# Altium PCB slave-14-mc33775.PcbDoc (part 5 of 5)
Units mil, origin at the board's own origin, x right, y up, seen from the top; angles counter-clockwise.
Board outline 6512.5 x 4562.01 mil, 6 copper layers (Top Copper, Supply, Signal Layer 1, Signal Layer 2, GND, Bot Copper), stack 69.773 mil thick; 427 components, 213 nets, 1131 pads, 1672 vias.
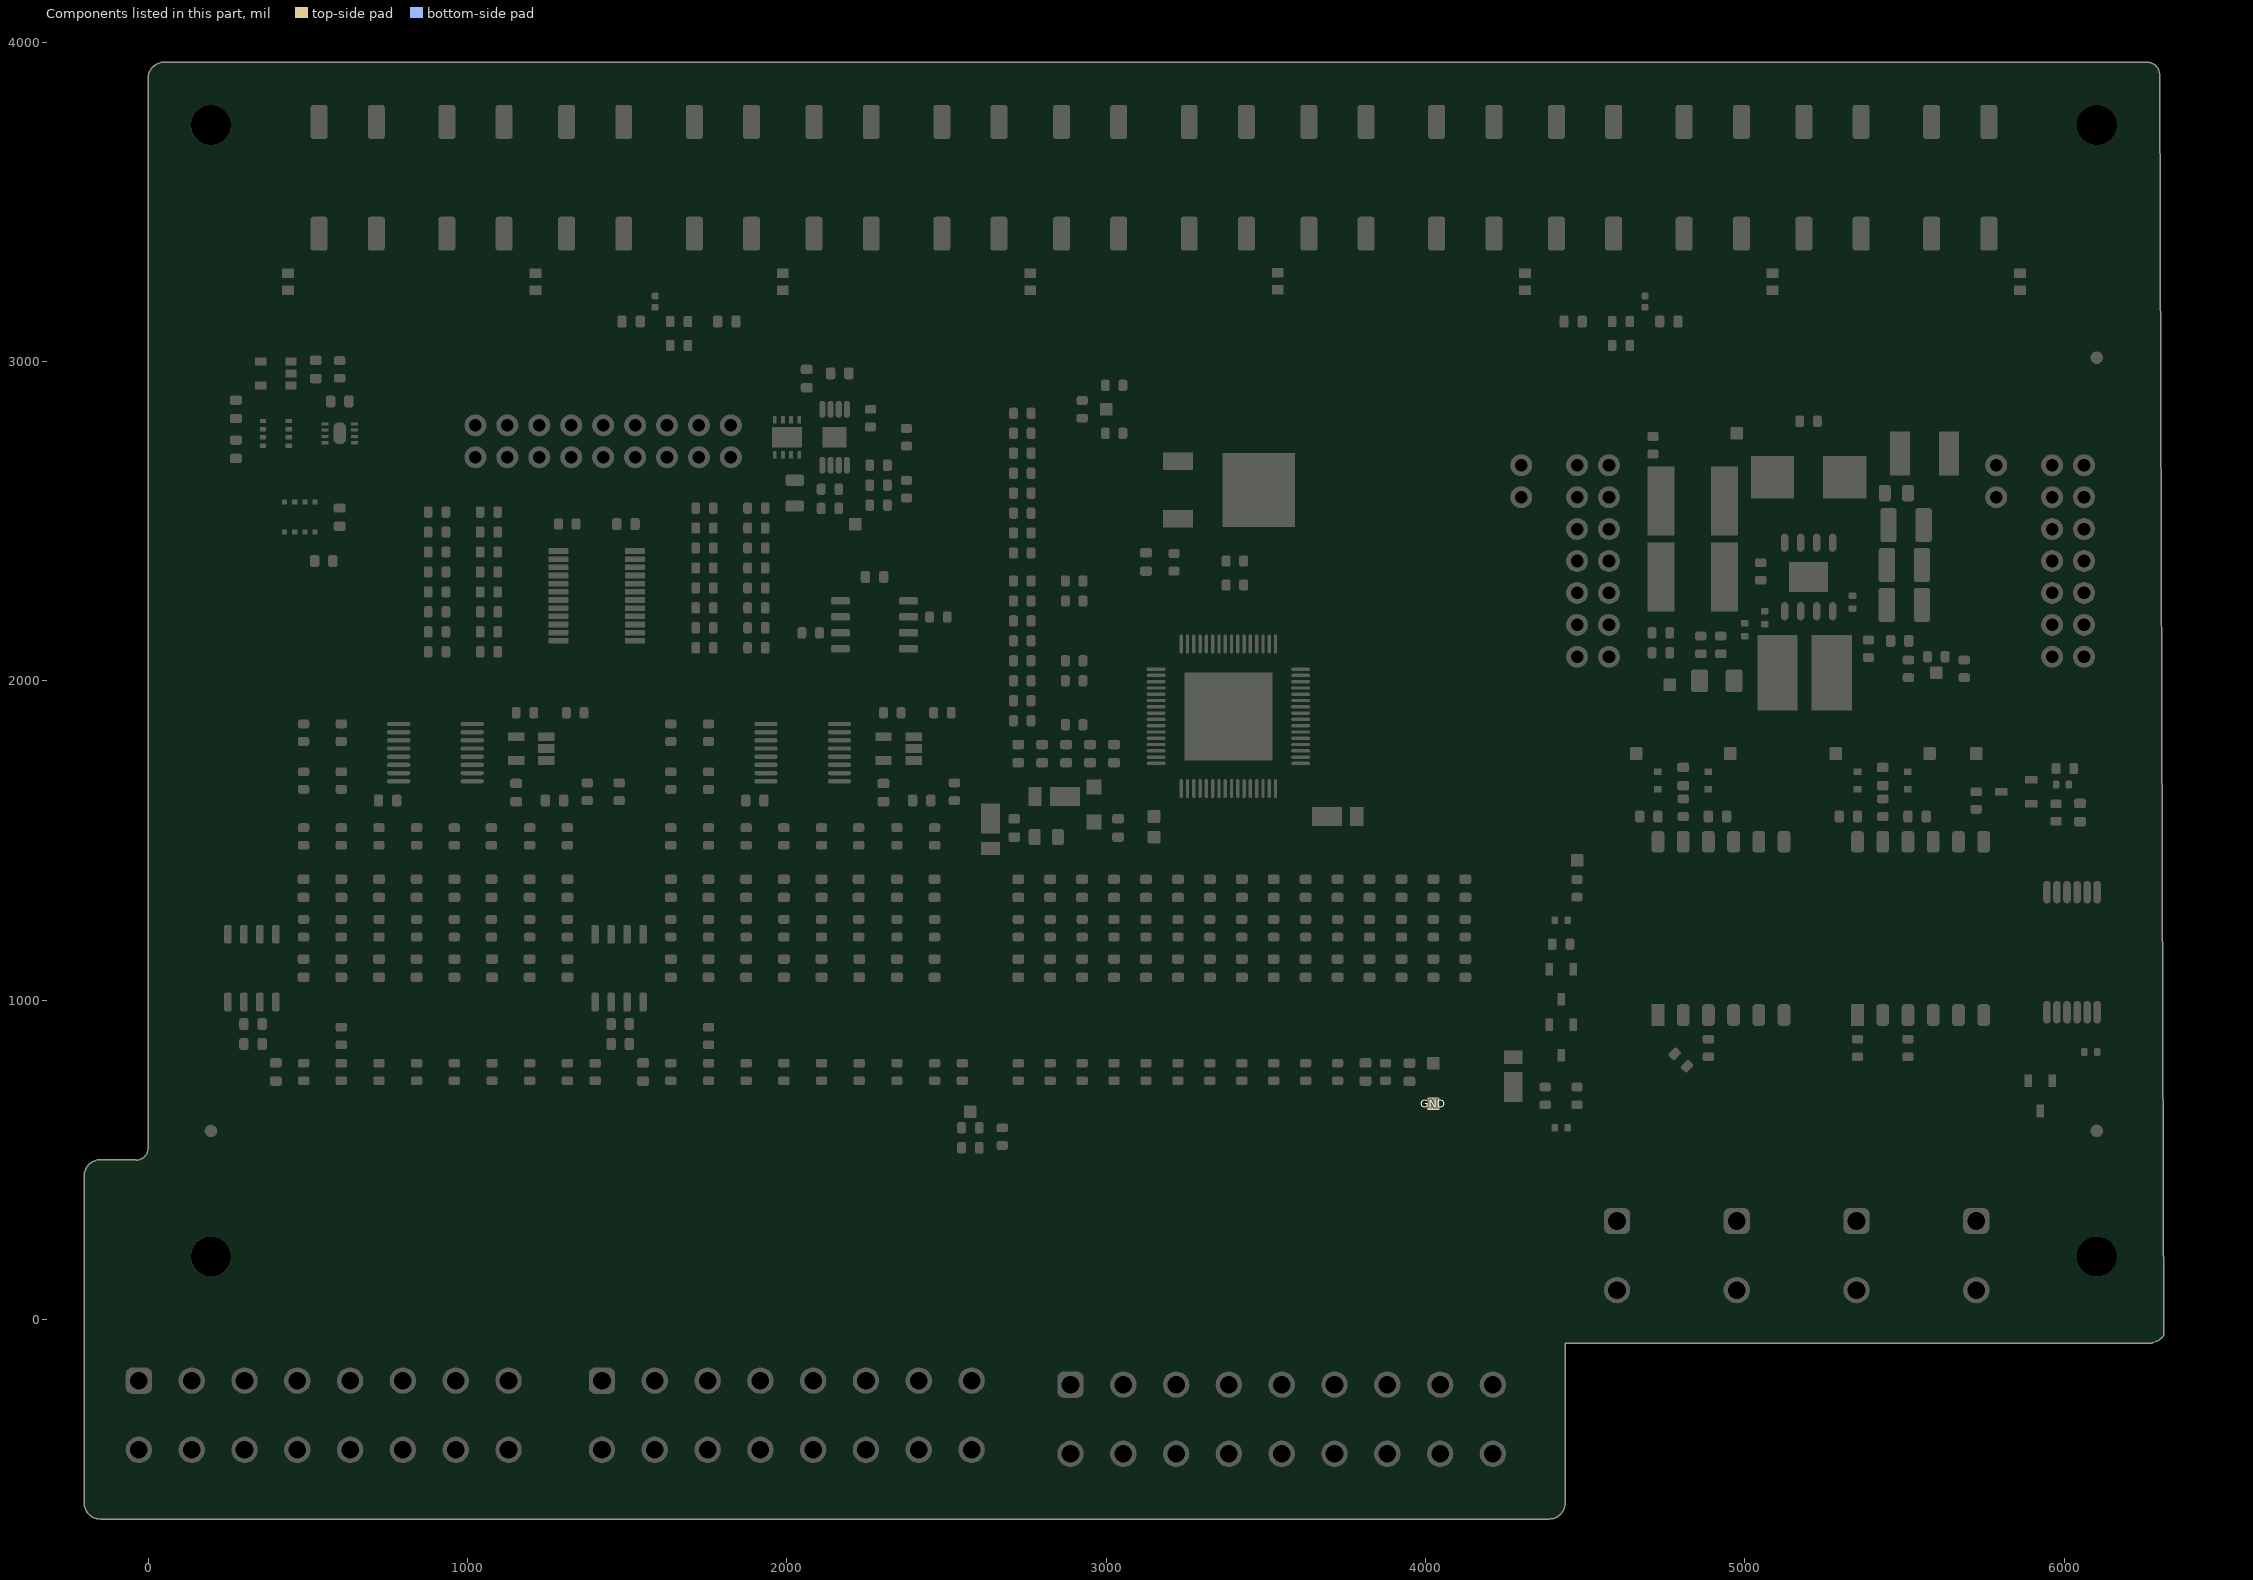
[diagram p9: the components of this part, seen from the top]

## Polygon pours and split planes (outlines as drawn) (continued)
no net on Top Overlay "Polygon_22_NoNet" (solid): 5660.93,3062.77 5664.56,3062.13 5667.31,3060.36 5669.08,3057.62 5669.71,3054.03 5669.71,2991.35 5669.08,2987.72 5667.31,2984.98 5664.56,2983.21 5660.93,2982.57 5653.92,2981.15 5648.14,2977.25 5644.24,2971.48 5642.81,2964.45 5642.81,2951.01 5642.05,2947.42 5640.08,2944.66 5637.28,2942.89 5634.07,2942.26 5388.97,2942.26 5388.16,2932.83 5634.09,2932.83 5637.72,2933.2 5641.12,2934.27 5644.21,2935.95 5646.9,2938.17 5649.13,2940.86 5650.8,2943.94 5651.86,2947.34 5652.24,2950.98 5652.23,2964.39 5652.87,2968.02 5654.64,2970.76 5657.38,2972.53 5661,2973.16 5664.63,2973.53 5668.02,2974.6 5671.11,2976.27 5673.8,2978.49 5676.02,2981.18 5677.69,2984.26 5678.76,2987.66 5679.13,2991.3 5679.13,3054.05 5678.77,3057.73 5677.73,3061.17 5676.08,3064.26 5673.88,3066.92 5671.2,3069.13 5668.11,3070.78 5664.68,3071.81 5661.02,3072.17 5657.39,3072.85 5654.64,3074.7 5652.87,3077.48 5652.24,3080.91 5652.24,3094.36 5651.87,3097.99 5650.8,3101.4 5649.13,3104.49 5646.9,3107.18 5644.21,3109.39 5641.12,3111.07 5637.72,3112.13 5634.09,3112.5 5140.91,3112.5 5136.76,3112.17 5133.11,3111.2 5129.99,3109.63 5127.41,3107.5 5125.39,3104.86 5123.93,3101.76 5123.05,3098.24 5122.75,3094.36 5122.75,2950.98 5123.12,2947.34 5124.18,2943.94 5125.87,2940.86 5128.09,2938.17 5130.78,2935.95 5133.86,2934.27 5137.27,2933.2 5140.91,2932.83 5388.16,2932.83 5388.97,2942.26 5140.95,2942.25 5137.33,2942.89 5134.58,2944.66 5132.81,2947.4 5132.17,2950.99 5132.17,3094.31 5132.81,3097.93 5134.58,3100.68 5137.33,3102.45 5140.91,3103.08 5634.03,3103.09 5637.66,3102.45 5640.41,3100.68 5642.18,3097.93 5642.81,3094.35 5642.81,3080.88 5644.24,3073.86 5648.14,3068.09 5653.92,3064.19
no net on Top Overlay "Polygon_28_NoNet" (solid): 5174.17,2956.09 5164.45,2957.53 5163.81,2958.58 5165.43,2968.86 5165.87,2969.53 5166.43,2969.69 5166.75,2969.64 5172.29,2968.71 5176.38,2969.28 5179.35,2971.06 5181.39,2974.23 5182.67,2978.99 5192.65,3038.95 5192.43,3039.75 5191.67,3040.1 5182.61,3040.1 5181.86,3040.44 5181.64,3041.24 5183.42,3051.53 5184.32,3052.3 5193.91,3052.3 5194.94,3053.17 5195.82,3058.27 5197.01,3063.38 5198.82,3067.8 5201.25,3071.54 5204.31,3074.6 5207.99,3076.96 5212.32,3078.65 5222.83,3079.98 5229.9,3079.3 5235.54,3077.8 5236.13,3076.77 5234.36,3066.62 5233.87,3065.95 5233.37,3065.82 5232.98,3065.89 5229.08,3066.96 5224.3,3067.49 5219.19,3066.91 5215.6,3065.08 5213.23,3061.79 5211.87,3056.81 5211.27,3053.46 5211.48,3052.65 5212.24,3052.3 5226.68,3052.3 5227.42,3051.95 5227.65,3051.15 5225.87,3040.86 5224.96,3040.1 5209.98,3040.1 5208.95,3039.22 5198.72,2977.53 5195.91,2968.21 5193.66,2964.52 5190.85,2961.49 5187.5,2959.13 5183.58,2957.44 5174.38,2956.09
no net on Top Overlay "Polygon_26_NoNet" (solid): 5351.1,2981.27 5345.55,2981.89 5341.12,2983.94 5337.48,2987.7 5334.25,2993.39 5328.67,3005.36 5327.82,3005.96 5327.83,3005.96 5326.99,3005.53 5310.11,2982.63 5309.37,2982.25 5294.05,2982.25 5293.16,2982.8 5293.27,2983.86 5320.73,3018.66 5320.87,3019.74 5313.81,3035.52 5310.87,3039.73 5307.54,3040.65 5304.01,3040.38 5303.94,3040.38 5303.14,3040.68 5302.9,3041.51 5304.52,3051.36 5305.08,3052.08 5312.67,3053.41 5317.93,3052.88 5321.97,3051.05 5325.17,3047.63 5327.94,3042.37 5332.64,3031.38 5333.5,3030.75 5333.49,3030.75 5334.35,3031.21 5348.55,3051.9 5349.3,3052.3 5364.63,3052.3 5365.52,3051.74 5365.42,3050.69 5340.15,3017.88 5340.05,3016.77 5348.94,2998.91 5352.04,2994.66 5355.37,2993.74 5359.99,2994.28 5360.11,2994.29 5360.91,2994.03 5361.2,2993.16 5359.56,2983.45 5359.02,2982.75 5355.33,2981.63 5351.29,2981.29
no net on Top Overlay "Polygon_27_NoNet" (solid): 5264.04,3041.33 5259.29,3040.62 5255.34,3038.57 5252.02,3035.39 5249.34,3031.3 5247.26,3026.46 5245.79,3021.13 5244.63,3009.69 5245.5,3002.72 5248.02,2997.54 5252,2994.31 5258.32,2993.26 5257.21,2981.13 5249.28,2981.84 5243.15,2983.83 5238.16,2986.89 5234.24,2990.8 5231.32,2995.34 5229.32,3000.31 5228.18,3005.49 5227.82,3010.66 5228.41,3018.59 5230.18,3026.29 5233.1,3033.51 5237.19,3039.99 5242.41,3045.47 5248.77,3049.71 5256.23,3052.45 5264.78,3053.41 5272.07,3052.7 5278.17,3050.72 5283.13,3047.68 5287.04,3043.79 5289.94,3039.26 5291.93,3034.32 5293.06,3029.16 5293.43,3024.01 5292.83,3016.06 5291.07,3008.34 5288.16,3001.1 5284.09,2994.6 5278.88,2989.09 5272.56,2984.84 5265.13,2982.1 5260.95,2981.4 5259.06,2981.14 5257.22,2981.14 5258.32,2993.26 5259.65,2993.36 5261.94,2993.91 5265.91,2995.97 5269.23,2999.15 5271.91,3003.23 5274,3008.07 5275.46,3013.41 5276.63,3024.85 5275.75,3031.82 5273.24,3037 5269.25,3040.22
GND on Top Copper "GND_L01_P001" (solid, pour order 1): 250,3250 250,3150 2950,3150 2950,3250
GND on Top Copper "GND_L01_P002" (solid, pour order 2): 3350,3250 3350,3150 6050,3150 6050,3250
GND on Top Copper "GND_L01_P138" (solid, pour order 138): -37.5,3112.5 812.5,3112.5 812.5,2187.5 -50,2187.5
GND on Top Copper "GND_L01_P139" (solid, remove dead copper, pour order 139): 1950,2950 2325,2950 2325,2412.5 2000,2412.5 2000,2612.5 1950,2662.5
VBAT_con_ext_lim on Top Copper "VBAT_CON_EXT_LIM_L01_P140" (solid, pour order 140): 4675,2725 4775,2725 4800,2700 4800,2200 4675,2200
SW on Top Copper "SW_L01_P145" (solid, pour order 145): 5212.5,2287.5 5212.5,1887.5 5387.5,1887.5 5412.5,1912.5 5412.5,2237.5 5362.5,2287.5
+3.3V on Top Copper "+3.3V_L01_P146" (solid, pour order 146): 4962.5,2162.5 5175,2162.5 5175,1875 4925,1875 4925,2075 4950,2100 4950,2112.5 4937.5,2125 4900,2125 4900,2187.5 4937.5,2187.5
GND on Top Copper "GND_L01_P147" (solid, remove dead copper, pour order 147): 4675,2825 5687.5,2825 5687.5,2075 5762.5,2000 5762.5,1950 4687.5,1950 4675,1937.5
VBAT_con_ext on Top Copper "VBAT_CON_EXT_L01_P148" (solid, remove dead copper, pour order 148): 2875,3112.5 2875,1925 4425,1925 4425,3112.5
CIN0 on Top Copper "CIN0_L01_P019" (solid, pour order 19): 5687.5,3975 5687.5,3250 6299.21,3250 6299.21,3975
CIN14 on Top Copper "CIN14_L01_P018" (solid, pour order 18): 612.5,3975 612.5,3250 0,3250 0,3975
VBAT_con_ext_emi on Top Copper "VBAT_CON_EXT_EMI_L01_P141" (solid, pour order 141): 5225,2737.5 5412.5,2737.5 5425,2725 5425,2650 5462.5,2612.5 5462.5,2562.5 5487.5,2537.5 5487.5,2087.5 5412.5,2087.5 5412.5,2387.5 5312.5,2487.5 5225,2575
VBAT_con_ext_emi on Top Copper "VBAT_CON_EXT_EMI_L01_P142" (solid, pour order 142): 5225,2737.5 5212.5,2750 5212.5,2837.5 5312.5,2837.5 5412.5,2737.5
VBAT_con_ext_lim on Top Copper "VBAT_CON_EXT_LIM_L01_P144" (solid, pour order 144): 4800,2637.5 4837.5,2675 4975,2675 4975,2562.5 5162.5,2562.5 5175,2575 5175,2737.5 5187.5,2750 5187.5,2837.5 5100,2837.5 5012.5,2750 4800,2750 4775,2725
CIN8 on Top Copper "CIN8_L01_P110" (solid, pour order 110): 2587.5,3975 2937.5,3975 2937.5,3250 2587.5,3250
CIN10 on Top Copper "CIN10_L01_P043" (solid, pour order 43): 1812.5,3975 2162.5,3975 2162.5,3250 1812.5,3250
CIN2 on Top Copper "CIN2_L01_P025" (solid, pour order 25): 4912.5,3975 5262.5,3975 5262.5,3250 4912.5,3250
CIN4 on Top Copper "CIN4_L01_P024" (solid, pour order 24): 4137.5,3975 4487.5,3975 4487.5,3250 4137.5,3250
CIN6 on Top Copper "CIN6_L02_P023" (solid, pour order 23): 3362.5,3975 3712.5,3975 3712.5,3250 3362.5,3250
CIN12 on Top Copper "CIN12_L01_P020" (solid, pour order 20): 1037.5,3975 1387.5,3975 1387.5,3250 1037.5,3250
BAL.CB_LO0 on Top Copper "BAL.CB_LO0_L01_P017" (solid, pour order 17): 5662.5,3975 5487.5,3975 5487.5,3250 5662.5,3250
BAL.CB_LO2 on Top Copper "BAL.CB_LO2_L01_P016" (solid, pour order 16): 4887.5,3975 4712.5,3975 4712.5,3250 4887.5,3250
BAL.CB_LO4 on Top Copper "BAL.CB_LO4_L01_P015" (solid, pour order 15): 4112.5,3975 3937.5,3975 3937.5,3250 4112.5,3250
BAL.CB_LO6 on Top Copper "BAL.CB_LO6_L01_P014" (solid, pour order 14): 3337.5,3975 3162.5,3975 3162.5,3250 3337.5,3250
BAL.CB_LO8 on Top Copper "BAL.CB_LO8_L01_P013" (solid, pour order 13): 2562.5,3975 2387.5,3975 2387.5,3250 2562.5,3250
BAL.CB_LO10 on Top Copper "BAL.CB_LO10_L01_P012" (solid, pour order 12): 1787.5,3975 1612.5,3975 1612.5,3250 1787.5,3250
BAL.CB_LO12 on Top Copper "BAL.CB_LO12_L01_P011" (solid, pour order 11): 1012.5,3975 837.5,3975 837.5,3250 1012.5,3250
BAL.CB_HI2 on Top Copper "BAL.CB_HI2_L01_P010" (solid, pour order 10): 5287.5,3975 5462.5,3975 5462.5,3250 5287.5,3250
BAL.CB_HI4 on Top Copper "BAL.CB_HI4_L01_P009" (solid, pour order 9): 4512.5,3975 4687.5,3975 4687.5,3250 4512.5,3250
BAL.CB_HI6 on Top Copper "BAL.CB_HI6_L01_P008" (solid, pour order 8): 3737.5,3975 3912.5,3975 3912.5,3250 3737.5,3250
BAL.CB_HI8 on Top Copper "BAL.CB_HI8_L01_P007" (solid, pour order 7): 2962.5,3975 3137.5,3975 3137.5,3250 2962.5,3250
BAL.CB_HI10 on Top Copper "BAL.CB_HI10_L01_P006" (solid, pour order 6): 2187.5,3975 2362.5,3975 2362.5,3250 2187.5,3250
BAL.CB_HI12 on Top Copper "BAL.CB_HI12_L01_P005" (solid, pour order 5): 1412.5,3975 1587.5,3975 1587.5,3250 1412.5,3250
BAL.CB_HI14 on Top Copper "BAL.CB_HI14_L01_P004" (solid, pour order 4): 637.5,3975 812.5,3975 812.5,3250 637.5,3250
GND on GND "GND_L05_P000" (solid, remove dead copper, pour order 0): -199.38,3250 6587.5,3250 6587.5,-125 6500,-212.5 -250,-212.5
CIN0 on GND "CIN0_L05_P107" (solid, pour order 107): 5687.5,3975 5687.5,3250 6299.21,3250 6299.21,3975
CIN14 on GND "CIN14_L05_P106" (solid, pour order 106): 612.5,3975 612.5,3250 0,3250 0,3975
CIN10 on GND "CIN10_L05_P131" (solid, pour order 131): 1812.5,3975 2162.5,3975 2162.5,3250 1812.5,3250
BAL.CB_HI2 on GND "BAL.CB_HI2_L05_P120" (solid, pour order 120): 5287.5,3975 5462.5,3975 5462.5,3250 5287.5,3250
BAL.CB_HI4 on GND "BAL.CB_HI4_L05_P119" (solid, pour order 119): 4512.5,3975 4687.5,3975 4687.5,3250 4512.5,3250
BAL.CB_HI10 on GND "BAL.CB_HI10_L05_P116" (solid, pour order 116): 2187.5,3975 2362.5,3975 2362.5,3250 2187.5,3250
BAL.CB_HI12 on GND "BAL.CB_HI12_L05_P115" (solid, pour order 115): 1412.5,3975 1587.5,3975 1587.5,3250 1412.5,3250
BAL.CB_HI14 on GND "BAL.CB_HI14_L05_P114" (solid, pour order 114): 637.5,3975 812.5,3975 812.5,3250 637.5,3250
CIN2 on GND "CIN2_L05_P113" (solid, pour order 113): 4912.5,3975 5262.5,3975 5262.5,3250 4912.5,3250
CIN4 on GND "CIN4_L05_P112" (solid, pour order 112): 4137.5,3975 4487.5,3975 4487.5,3250 4137.5,3250
CIN12 on GND "CIN12_L05_P108" (solid, pour order 108): 1037.5,3975 1387.5,3975 1387.5,3250 1037.5,3250
BAL.CB_LO2 on GND "BAL.CB_LO2_L05_P104" (solid, pour order 104): 4887.5,3975 4712.5,3975 4712.5,3250 4887.5,3250
BAL.CB_LO4 on GND "BAL.CB_LO4_L05_P103" (solid, pour order 103): 4112.5,3975 3937.5,3975 3937.5,3250 4112.5,3250
BAL.CB_LO6 on GND "BAL.CB_LO6_L05_P102" (solid, pour order 102): 3337.5,3975 3162.5,3975 3162.5,3250 3337.5,3250
BAL.CB_LO8 on GND "BAL.CB_LO8_L05_P101" (solid, pour order 101): 2562.5,3975 2387.5,3975 2387.5,3250 2562.5,3250
BAL.CB_LO12 on GND "BAL.CB_LO12_L05_P099" (solid, pour order 99): 1012.5,3975 837.5,3975 837.5,3250 1012.5,3250
BAL.CB_HI6 on GND "BAL.CB_HI6_L05_P096" (solid, pour order 96): 3737.5,3975 3912.5,3975 3912.5,3250 3737.5,3250
BAL.CB_HI8 on GND "BAL.CB_HI8_L05_P095" (solid, pour order 95): 2962.5,3975 3137.5,3975 3137.5,3250 2962.5,3250
CIN6 on GND "CIN6_L05_P089" (solid, pour order 89): 3362.5,3975 3712.5,3975 3712.5,3250 3362.5,3250
CIN8 on GND "CIN8_L05_P088" (solid, pour order 88): 2587.5,3975 2937.5,3975 2937.5,3250 2587.5,3250
BAL.CB_LO0 on GND "BAL.CB_LO0_L05_P061" (solid, pour order 61): 5662.5,3975 5487.5,3975 5487.5,3250 5662.5,3250
BAL.CB_LO10 on GND "BAL.CB_LO10_L05_P056" (solid, pour order 56): 1787.5,3975 1612.5,3975 1612.5,3250 1787.5,3250
VDDIO on Supply "VDDIO_L02_P137" (solid, remove dead copper, pour order 137): -25,3250 6325,3250 6325,-50 -25,-50
VDDC on Supply "VDDC_L02_P136" (solid, pour order 136): 4250,-50 4250,3250 6400,3250 6400,-50
CIN0 on Supply "CIN0_L02_P041" (solid, pour order 41): 5687.5,3975 5687.5,3250 6299.21,3250 6299.21,3975
CIN14 on Supply "CIN14_L02_P040" (solid, pour order 40): 612.5,3975 612.5,3250 0,3250 0,3975
CIN6 on Supply "CIN6_L02_P023" (solid, pour order 111): 3362.5,3975 3712.5,3975 3712.5,3250 3362.5,3250
BAL.CB_HI8 on Supply "BAL.CB_HI8_L02_P073" (solid, pour order 73): 2962.5,3975 3137.5,3975 3137.5,3250 2962.5,3250
CIN8 on Supply "CIN8_L02_P044" (solid, pour order 44): 2587.5,3975 2937.5,3975 2937.5,3250 2587.5,3250
CIN2 on Supply "CIN2_L02_P047" (solid, pour order 47): 4912.5,3975 5262.5,3975 5262.5,3250 4912.5,3250
CIN4 on Supply "CIN4_L02_P046" (solid, pour order 46): 4137.5,3975 4487.5,3975 4487.5,3250 4137.5,3250
CIN10 on Supply "CIN10_L02_P021" (solid, pour order 21): 1812.5,3975 2162.5,3975 2162.5,3250 1812.5,3250
CIN12 on Supply "CIN12_L02_P042" (solid, pour order 42): 1037.5,3975 1387.5,3975 1387.5,3250 1037.5,3250
BAL.CB_LO0 on Supply "BAL.CB_LO0_L02_P039" (solid, pour order 39): 5662.5,3975 5487.5,3975 5487.5,3250 5662.5,3250
BAL.CB_LO2 on Supply "BAL.CB_LO2_L02_P038" (solid, pour order 38): 4887.5,3975 4712.5,3975 4712.5,3250 4887.5,3250
BAL.CB_LO4 on Supply "BAL.CB_LO4_L02_P037" (solid, pour order 37): 4112.5,3975 3937.5,3975 3937.5,3250 4112.5,3250
BAL.CB_LO6 on Supply "BAL.CB_LO6_L02_P036" (solid, pour order 36): 3337.5,3975 3162.5,3975 3162.5,3250 3337.5,3250
BAL.CB_LO8 on Supply "BAL.CB_LO8_L02_P035" (solid, pour order 35): 2562.5,3975 2387.5,3975 2387.5,3250 2562.5,3250
BAL.CB_LO10 on Supply "BAL.CB_LO10_L02_P034" (solid, pour order 34): 1787.5,3975 1612.5,3975 1612.5,3250 1787.5,3250
BAL.CB_LO12 on Supply "BAL.CB_LO12_L02_P033" (solid, pour order 33): 1012.5,3975 837.5,3975 837.5,3250 1012.5,3250
BAL.CB_HI2 on Supply "BAL.CB_HI2_L02_P032" (solid, pour order 32): 5287.5,3975 5462.5,3975 5462.5,3250 5287.5,3250
BAL.CB_HI4 on Supply "BAL.CB_HI4_L02_P030" (solid, pour order 30): 4512.5,3975 4687.5,3975 4687.5,3250 4512.5,3250
BAL.CB_HI6 on Supply "BAL.CB_HI6_L02_P031" (solid, pour order 31): 3737.5,3975 3912.5,3975 3912.5,3250 3737.5,3250
BAL.CB_HI10 on Supply "BAL.CB_HI10_L02_P028" (solid, pour order 28): 2187.5,3975 2362.5,3975 2362.5,3250 2187.5,3250
BAL.CB_HI12 on Supply "BAL.CB_HI12_L02_P027" (solid, pour order 27): 1412.5,3975 1587.5,3975 1587.5,3250 1412.5,3250
BAL.CB_HI14 on Supply "BAL.CB_HI14_L02_P026" (solid, pour order 26): 637.5,3975 812.5,3975 812.5,3250 637.5,3250
CIN0 on Bot Copper "CIN0_L06_P129" (solid, pour order 129): 5687.5,3975 5687.5,3250 6299.21,3250 6299.21,3975
CIN14 on Bot Copper "CIN14_L06_P128" (solid, pour order 128): 612.5,3975 612.5,3250 0,3250 0,3975
BAL.CB_HI6 on Bot Copper "BAL.CB_HI6_L06_P118" (solid, pour order 118): 3737.5,3975 3912.5,3975 3912.5,3250 3737.5,3250
BAL.CB_HI2 on Bot Copper "BAL.CB_HI2_L06_P098" (solid, pour order 98): 5287.5,3975 5462.5,3975 5462.5,3250 5287.5,3250
BAL.CB_HI10 on Bot Copper "BAL.CB_HI10_L06_P094" (solid, pour order 94): 2187.5,3975 2362.5,3975 2362.5,3250 2187.5,3250
BAL.CB_HI12 on Bot Copper "BAL.CB_HI12_L06_P093" (solid, pour order 93): 1412.5,3975 1587.5,3975 1587.5,3250 1412.5,3250
CIN10 on Bot Copper "CIN10_L06_P087" (solid, pour order 87): 1812.5,3975 2162.5,3975 2162.5,3250 1812.5,3250
BAL.CB_HI4 on Bot Copper "BAL.CB_HI4_L06_P053" (solid, pour order 53): 4512.5,3975 4687.5,3975 4687.5,3250 4512.5,3250
BAL.CB_HI8 on Bot Copper "BAL.CB_HI8_L06_P051" (solid, pour order 51): 2962.5,3975 3137.5,3975 3137.5,3250 2962.5,3250
BAL.CB_HI14 on Bot Copper "BAL.CB_HI14_L06_P048" (solid, pour order 48): 637.5,3975 812.5,3975 812.5,3250 637.5,3250
CIN8 on Bot Copper "CIN8_L06_P066" (solid, pour order 66): 2587.5,3975 2937.5,3975 2937.5,3250 2587.5,3250
CIN2 on Bot Copper "CIN2_L06_P135" (solid, pour order 135): 4912.5,3975 5262.5,3975 5262.5,3250 4912.5,3250
CIN4 on Bot Copper "CIN4_L06_P134" (solid, pour order 134): 4137.5,3975 4487.5,3975 4487.5,3250 4137.5,3250
CIN6 on Bot Copper "CIN6_L06_P133" (solid, pour order 133): 3362.5,3975 3712.5,3975 3712.5,3250 3362.5,3250
CIN12 on Bot Copper "CIN12_L06_P130" (solid, pour order 130): 1037.5,3975 1387.5,3975 1387.5,3250 1037.5,3250
BAL.CB_LO0 on Bot Copper "BAL.CB_LO0_L06_P127" (solid, pour order 127): 5662.5,3975 5487.5,3975 5487.5,3250 5662.5,3250
BAL.CB_LO2 on Bot Copper "BAL.CB_LO2_L06_P126" (solid, pour order 126): 4887.5,3975 4712.5,3975 4712.5,3250 4887.5,3250
BAL.CB_LO4 on Bot Copper "BAL.CB_LO4_L06_P125" (solid, pour order 125): 4112.5,3975 3937.5,3975 3937.5,3250 4112.5,3250
BAL.CB_LO6 on Bot Copper "BAL.CB_LO6_L06_P124" (solid, pour order 124): 3337.5,3975 3162.5,3975 3162.5,3250 3337.5,3250
BAL.CB_LO8 on Bot Copper "BAL.CB_LO8_L06_P123" (solid, pour order 123): 2562.5,3975 2387.5,3975 2387.5,3250 2562.5,3250
BAL.CB_LO10 on Bot Copper "BAL.CB_LO10_L06_P122" (solid, pour order 122): 1787.5,3975 1612.5,3975 1612.5,3250 1787.5,3250
BAL.CB_LO12 on Bot Copper "BAL.CB_LO12_L06_P121" (solid, pour order 121): 1012.5,3975 837.5,3975 837.5,3250 1012.5,3250
CIN0 on Signal Layer 1 "CIN0_L03_P063" (solid, pour order 63): 5687.5,3975 5687.5,3250 6299.21,3250 6299.21,3975
CIN14 on Signal Layer 1 "CIN14_L03_P062" (solid, pour order 62): 612.5,3975 612.5,3250 0,3250 0,3975
CIN8 on Signal Layer 1 "CIN8_L03_P022" (solid, pour order 22): 2587.5,3975 2937.5,3975 2937.5,3250 2587.5,3250
BAL.CB_HI8 on Signal Layer 1 "BAL.CB_HI8_L03_P117" (solid, pour order 117): 2962.5,3975 3137.5,3975 3137.5,3250 2962.5,3250
CIN4 on Signal Layer 1 "CIN4_L03_P090" (solid, pour order 90): 4137.5,3975 4487.5,3975 4487.5,3250 4137.5,3250
BAL.CB_LO0 on Signal Layer 1 "BAL.CB_LO0_L03_P083" (solid, pour order 83): 5662.5,3975 5487.5,3975 5487.5,3250 5662.5,3250
BAL.CB_LO4 on Signal Layer 1 "BAL.CB_LO4_L03_P081" (solid, pour order 81): 4112.5,3975 3937.5,3975 3937.5,3250 4112.5,3250
BAL.CB_LO10 on Signal Layer 1 "BAL.CB_LO10_L03_P078" (solid, pour order 78): 1787.5,3975 1612.5,3975 1612.5,3250 1787.5,3250
BAL.CB_HI4 on Signal Layer 1 "BAL.CB_HI4_L03_P075" (solid, pour order 75): 4512.5,3975 4687.5,3975 4687.5,3250 4512.5,3250
BAL.CB_HI6 on Signal Layer 1 "BAL.CB_HI6_L03_P074" (solid, pour order 74): 3737.5,3975 3912.5,3975 3912.5,3250 3737.5,3250
BAL.CB_HI14 on Signal Layer 1 "BAL.CB_HI14_L03_P070" (solid, pour order 70): 637.5,3975 812.5,3975 812.5,3250 637.5,3250
CIN10 on Signal Layer 1 "CIN10_L03_P065" (solid, pour order 65): 1812.5,3975 2162.5,3975 2162.5,3250 1812.5,3250
CIN6 on Signal Layer 1 "CIN6_L02_P023" (solid, pour order 67): 3362.5,3975 3712.5,3975 3712.5,3250 3362.5,3250
CIN12 on Signal Layer 1 "CIN12_L03_P064" (solid, pour order 64): 1037.5,3975 1387.5,3975 1387.5,3250 1037.5,3250
CIN2 on Signal Layer 1 "CIN2_L03_P069" (solid, pour order 69): 4912.5,3975 5262.5,3975 5262.5,3250 4912.5,3250
BAL.CB_LO2 on Signal Layer 1 "BAL.CB_LO2_L03_P060" (solid, pour order 60): 4887.5,3975 4712.5,3975 4712.5,3250 4887.5,3250
BAL.CB_LO6 on Signal Layer 1 "BAL.CB_LO6_L03_P058" (solid, pour order 58): 3337.5,3975 3162.5,3975 3162.5,3250 3337.5,3250
BAL.CB_LO8 on Signal Layer 1 "BAL.CB_LO8_L03_P057" (solid, pour order 57): 2562.5,3975 2387.5,3975 2387.5,3250 2562.5,3250
BAL.CB_LO12 on Signal Layer 1 "BAL.CB_LO12_L03_P055" (solid, pour order 55): 1012.5,3975 837.5,3975 837.5,3250 1012.5,3250
BAL.CB_HI2 on Signal Layer 1 "BAL.CB_HI2_L03_P054" (solid, pour order 54): 5287.5,3975 5462.5,3975 5462.5,3250 5287.5,3250
BAL.CB_HI10 on Signal Layer 1 "BAL.CB_HI10_L03_P050" (solid, pour order 50): 2187.5,3975 2362.5,3975 2362.5,3250 2187.5,3250
BAL.CB_HI12 on Signal Layer 1 "BAL.CB_HI12_L03_P049" (solid, pour order 49): 1412.5,3975 1587.5,3975 1587.5,3250 1412.5,3250
CIN0 on Signal Layer 2 "CIN0_L04_P085" (solid, pour order 85): 5687.5,3975 5687.5,3250 6299.21,3250 6299.21,3975
CIN14 on Signal Layer 2 "CIN14_L04_P084" (solid, pour order 84): 612.5,3975 612.5,3250 0,3250 0,3975
CIN6 on Signal Layer 2 "CIN6_L04_P045" (solid, pour order 45): 3362.5,3975 3712.5,3975 3712.5,3250 3362.5,3250
CIN8 on Signal Layer 2 "CIN8_L04_P132" (solid, pour order 132): 2587.5,3975 2937.5,3975 2937.5,3250 2587.5,3250
CIN10 on Signal Layer 2 "CIN10_L04_P109" (solid, pour order 109): 1812.5,3975 2162.5,3975 2162.5,3250 1812.5,3250
BAL.CB_LO0 on Signal Layer 2 "BAL.CB_LO0_L04_P105" (solid, pour order 105): 5662.5,3975 5487.5,3975 5487.5,3250 5662.5,3250
BAL.CB_LO10 on Signal Layer 2 "BAL.CB_LO10_L04_P100" (solid, pour order 100): 1787.5,3975 1612.5,3975 1612.5,3250 1787.5,3250
BAL.CB_HI14 on Signal Layer 2 "BAL.CB_HI14_L04_P092" (solid, pour order 92): 637.5,3975 812.5,3975 812.5,3250 637.5,3250
CIN2 on Signal Layer 2 "CIN2_L04_P091" (solid, pour order 91): 4912.5,3975 5262.5,3975 5262.5,3250 4912.5,3250
CIN12 on Signal Layer 2 "CIN12_L04_P086" (solid, pour order 86): 1037.5,3975 1387.5,3975 1387.5,3250 1037.5,3250
BAL.CB_LO2 on Signal Layer 2 "BAL.CB_LO2_L04_P082" (solid, pour order 82): 4887.5,3975 4712.5,3975 4712.5,3250 4887.5,3250
BAL.CB_LO6 on Signal Layer 2 "BAL.CB_LO6_L04_P080" (solid, pour order 80): 3337.5,3975 3162.5,3975 3162.5,3250 3337.5,3250
BAL.CB_LO8 on Signal Layer 2 "BAL.CB_LO8_L04_P079" (solid, pour order 79): 2562.5,3975 2387.5,3975 2387.5,3250 2562.5,3250
BAL.CB_LO12 on Signal Layer 2 "BAL.CB_LO12_L04_P077" (solid, pour order 77): 1012.5,3975 837.5,3975 837.5,3250 1012.5,3250
BAL.CB_HI10 on Signal Layer 2 "BAL.CB_HI10_L04_P072" (solid, pour order 72): 2187.5,3975 2362.5,3975 2362.5,3250 2187.5,3250
BAL.CB_HI12 on Signal Layer 2 "BAL.CB_HI12_L04_P071" (solid, pour order 71): 1412.5,3975 1587.5,3975 1587.5,3250 1412.5,3250
BAL.CB_HI4 on Signal Layer 2 "BAL.CB_HI4_L04_P097" (solid, pour order 97): 4512.5,3975 4687.5,3975 4687.5,3250 4512.5,3250
BAL.CB_HI2 on Signal Layer 2 "BAL.CB_HI2_L04_P076" (solid, pour order 76): 5287.5,3975 5462.5,3975 5462.5,3250 5287.5,3250
BAL.CB_HI8 on Signal Layer 2 "BAL.CB_HI8_L04_P029" (solid, pour order 29): 2962.5,3975 3137.5,3975 3137.5,3250 2962.5,3250
CIN4 on Signal Layer 2 "CIN4_L04_P068" (solid, pour order 68): 4137.5,3975 4487.5,3975 4487.5,3250 4137.5,3250
BAL.CB_LO4 on Signal Layer 2 "BAL.CB_LO4_L04_P059" (solid, pour order 59): 4112.5,3975 3937.5,3975 3937.5,3250 4112.5,3250
BAL.CB_HI6 on Signal Layer 2 "BAL.CB_HI6_L04_P052" (solid, pour order 52): 3737.5,3975 3912.5,3975 3912.5,3250 3737.5,3250

## Keep-outs
Keep-Out Layer:
  circle w228.35: c196.85,196.85 r185.04
  circle w228.35: c6102.36,196.85 r185.04
  circle w228.35: c196.85,3740.16 r185.04
  circle w228.35: c6102.36,3740.16 r185.04

## Other copper
Top Copper:
  pour cut-out: 3987.5,1737.5 4112.5,1737.5 4112.5,1512.5 3987.5,1512.5
  pour cut-out: 5725,2737.5 5850,2737.5 5850,2512.5 5725,2512.5
  pour cut-out: 4237.5,2737.5 4362.5,2737.5 4362.5,2512.5 4237.5,2512.5
  pour cut-out: 362.5,2625 700,2625 700,2300 687.5,2287.5 362.5,2287.5
  text "TOP (1)" at 6244.68,3056.1 h40 r90
Signal Layer 1:
  pour cut-out: 3987.5,1737.5 4112.5,1737.5 4112.5,1512.5 3987.5,1512.5
  pour cut-out: 5725,2737.5 5850,2737.5 5850,2512.5 5725,2512.5
  pour cut-out: 4237.5,2737.5 4362.5,2737.5 4362.5,2512.5 4237.5,2512.5
  text "3" at 6244.68,3056.1 h40 r90
Signal Layer 2:
  pour cut-out: 3987.5,1737.5 4112.5,1737.5 4112.5,1512.5 3987.5,1512.5
  pour cut-out: 5725,2737.5 5850,2737.5 5850,2512.5 5725,2512.5
  pour cut-out: 4237.5,2737.5 4362.5,2737.5 4362.5,2512.5 4237.5,2512.5
  text "4" at 6244.69,3193.9 h40 r90
Supply:
  pour cut-out: 3987.5,1737.5 4112.5,1737.5 4112.5,1512.5 3987.5,1512.5
  pour cut-out: 5725,2737.5 5850,2737.5 5850,2512.5 5725,2512.5
  pour cut-out: 4237.5,2737.5 4362.5,2737.5 4362.5,2512.5 4237.5,2512.5
  pour cut-out: 4603.33,1516.81 4607.64,1516.81 4628.33,1537.5 6337.5,1537.5 6450,1425 6450,-50 4787.5,-50 4790.83,-46.67 4787.5,662.5 4607.64,825
  pour cut-out: 362.5,2625 700,2625 700,2300 687.5,2287.5 362.5,2287.5
  pour cut-out: 6350,1300 5900,1300 5900,1500 6050,1500 6350,1800 6450,1800 6450,1675 6350,1575
  pour cut-out: 4825,150 4800,500 4475,175 4350,50 4350,-50 4800,-50 4825,-25
  text "2" at 6244.68,3056.1 h40 r90
GND:
  pour cut-out: 3987.5,1737.5 4112.5,1737.5 4112.5,1512.5 3987.5,1512.5
  pour cut-out: 5725,2737.5 5850,2737.5 5850,2512.5 5725,2512.5
  pour cut-out: 4237.5,2737.5 4362.5,2737.5 4362.5,2512.5 4237.5,2512.5
  pour cut-out: 4603.33,1516.81 4607.64,1516.81 4628.33,1537.5 6337.5,1537.5 6450,1425 6450,-50 4787.5,-50 4790.83,-46.67 4787.5,662.5 4607.64,825
  pour cut-out: 4825,150 4800,500 4475,175 4350,50 4350,-50 4800,-50 4825,-25
  pour cut-out: 6350,1300 5900,1300 5900,1500 6050,1500 6350,1800 6450,1800 6450,1675 6350,1575
  pour cut-out: 362.5,2625 700,2625 700,2300 687.5,2287.5 362.5,2287.5
  text "5" at 6244.69,3193.9 h40 r90
Bot Copper:
  pour cut-out: 3987.5,1737.5 4112.5,1737.5 4112.5,1512.5 3987.5,1512.5
  pour cut-out: 5725,2737.5 5850,2737.5 5850,2512.5 5725,2512.5
  pour cut-out: 4237.5,2737.5 4362.5,2737.5 4362.5,2512.5 4237.5,2512.5
  text "BOT (6)" at 6244.69,3193.9 h40 r90

## Silkscreen, mask and mechanical layers (free items; w line width, h text height)
Top Overlay:
  drawing of 11 lines, arcs and shapes, not listed
  text "Passive Balancing" at 2693.42,3548.33 h118.11
  text "MCP9800" at 212.8,2885.14 h40 r90
  text "SHT35" at 775.3,2708.04 h40 r90
  text "BME280" at 212.64,2707.63 h40 r90
  text "↯" at 3787.5,2700 h1200
  text "HIGH" at 1700.4,2587.2 h40
  text "LOW" at 1864.61,2587.2 h40
  text "LOW" at 864.61,2574.7 h40
  text "HIGH" at 1025.4,2574.7 h40
  text "DANGER / high voltage / may be present" at 3637.36,2529.74 h60
  text "15" at 1805.76,2528.11 h40
  text "0" at 977.86,2515.61 h40
  text "14" at 1805.62,2465.38 h40
  text "1" at 980.56,2452.88 h40
  text "BME680" at 557.63,2412.36 h40
  text "13" at 1805.97,2403.11 h40
  text "2" at 977.58,2390.38 h40
  text "12" at 1806.11,2340.38 h40
  text "3" at 977.66,2328.11 h40
  text "11" at 1808.12,2277.88 h40
  text "4" at 976.98,2265.39 h40
  text "10" at 1806.09,2215.61 h40
  text "5" at 977.58,2203.34 h40
  text "9" at 1815.13,2153.11 h40
  text "6" at 977.63,2140.61 h40
  text "8" at 1815.25,2090.61 h40
  text "7" at 977.8,2078.11 h40
  text "foxBMS" at 3775,1950 h150
  text "Fraunhofer IISB / '.GlobalProject' v'.GlobalVersion'" at 177,1361.5 h60 r90
  text "CT1" at 3987.82,1291.44 h40 r90
  text "CT9" at 3187.8,1289.36 h40 r90
  text "CT8" at 3287.8,1289.32 h40 r90
  text "CT7" at 3387.82,1289.32 h40 r90
  text "CT6" at 3487.8,1289.16 h40 r90
  text "CT5" at 3587.8,1289.07 h40 r90
  text "CT4" at 3687.82,1288.94 h40 r90
  text "CT3" at 3787.8,1289.29 h40 r90
  text "CT2" at 3887.82,1289.42 h40 r90
  text "CT0" at 4087.8,1289.41 h40 r90
  text "CT11" at 2987.82,1281.5 h40 r90
  text "CT14" at 2687.82,1279 h40 r90
  text "CT13" at 2787.8,1279.35 h40 r90
  text "CT12" at 2887.82,1279.48 h40 r90
  text "CT10" at 3087.8,1279.47 h40 r90
  text "Input Filter" at 3125,920.96 h118.11
  text "Select Vmodule with 0R" at 2923.32,668.27 h60
  text "Temperature Measurement" at 801.55,622.64 h118.11
  text "Alarm / out" at 4525.66,594.9 h60
  text "Alarm / in" at 5675.66,594.88 h60
  text "TPL / low" at 4865.03,587.26 h60
  text "TPL / high" at 5240.03,587.26 h60
Bottom Overlay:
  text "DIO3" at 1234.97,2874.76 h40
  text "DIO7" at 1434.97,2874.76 h40
  text "DIO11" at 1634.97,2874.76 h40
  text "DIO15" at 1834.97,2874.76 h40
  text "DIO1" at 1134.98,2836.77 h40
  text "DIO5" at 1334.97,2836.77 h40
  text "DIO9" at 1534.97,2836.77 h40
  text "DIO13" at 1734.97,2836.77 h40
  text "GND" at 1934.97,2836.77 h40
  text "GND" at 4438.23,2784.97 h40 r90
  text "GND" at 4695.24,2784.97 h40 r90
  text "GND" at 5925.73,2784.97 h40 r90
  text "GND" at 6182.74,2784.97 h40 r90
  text "GND" at 4409.97,2711.77 h40
  text "GND" at 5897.47,2711.77 h40
  text "VAUX" at 4438.23,2684.97 h40 r90
  text "VDDC" at 4737.74,2684.97 h40 r90
  text "VAUX" at 5925.73,2684.97 h40 r90
  text "VDDC" at 6225.24,2684.97 h40 r90
  text "3.3V" at 4438.23,2584.97 h40 r90
  text "VDDIO" at 4695.24,2584.97 h40 r90
  text "3.3V" at 5925.73,2584.97 h40 r90
  text "VDDIO" at 6182.74,2584.97 h40 r90
  text "DIO0" at 1134.98,2579.76 h40
  text "DIO4" at 1334.97,2579.76 h40
  text "DIO8" at 1534.97,2579.76 h40
  text "DIO12" at 1734.97,2579.76 h40
  text "GND" at 1934.97,2579.76 h40
  text "DIO2" at 1234.97,2537.26 h40
  text "DIO6" at 1434.97,2537.26 h40
  text "DIO10" at 1634.97,2537.26 h40
  text "DIO14" at 1834.97,2537.26 h40
  text "ALRM_OUT" at 4400.24,2484.97 h40 r90
  text "ALRM_IN" at 4737.74,2484.97 h40 r90
  text "ALRM_OUT" at 5887.74,2484.97 h40 r90
  text "ALRM_IN" at 6225.24,2484.97 h40 r90
  text "VBAT" at 4409.97,2454.76 h40
  text "VBAT" at 5897.47,2454.76 h40
  text "SDA" at 4438.23,2384.97 h40 r90
  text "SCL" at 4695.24,2384.97 h40 r90
  text "SDA" at 5925.73,2384.97 h40 r90
  text "SCL" at 6182.74,2384.97 h40 r90
  text "GPIO7" at 4400.24,2284.97 h40 r90
  text "GPIO6" at 4737.74,2284.97 h40 r90
  text "GPIO7" at 5887.74,2284.97 h40 r90
  text "GPIO6" at 6225.24,2284.97 h40 r90
  text "GPIO3" at 4438.23,2184.97 h40 r90
  text "GPIO2" at 4695.24,2184.97 h40 r90
  text "GPIO3" at 5925.73,2184.97 h40 r90
  text "GPIO2" at 6182.74,2184.97 h40 r90
  text "GND" at 4159.97,1711.77 h40
  text "VBAT_ext" at 4159.97,1454.76 h40
  text "Alarm / out" at 4674.34,594.9 h60
  text "Alarm / in" at 5824.34,594.88 h60
  text "TPL / low" at 5084.97,587.26 h60
  text "TPL / high" at 5459.97,587.26 h60
  text "GND" at 596.98,524.76 h40
  text "GND" at 714.97,524.76 h40
  text "GND" at 832.97,524.76 h40
  text "GND" at 950.96,524.76 h40
  text "GND" at 1068.99,524.76 h40
  text "GND" at 1186.98,524.76 h40
  text "GND" at 1304.97,524.76 h40
  text "GND" at 1422.97,524.76 h40
  text "GND" at 1746.98,524.76 h40
  text "GND" at 1864.97,524.76 h40
  text "GND" at 1982.97,524.76 h40
  text "GND" at 2100.96,524.76 h40
  text "GND" at 2218.99,524.76 h40
  text "GND" at 2336.98,524.76 h40
  text "GND" at 2454.97,524.76 h40
  text "GND" at 2572.97,524.76 h40
  text "NC" at 2909.97,524.76 h40
  text "NC" at 3023.99,524.76 h40
  text "NC" at 3141.98,524.76 h40
  text "NC" at 3259.97,524.76 h40
  text "CIN14" at 3377.97,524.76 h40
  text "CIN12" at 3495.96,524.76 h40
  text "CIN10" at 3613.99,524.76 h40
  text "CIN8" at 3731.98,524.76 h40
  text "CIN6" at 3849.97,524.76 h40
  text "CIN4" at 3967.97,524.76 h40
  text "CIN2" at 4085.96,524.76 h40
  text "CIN0" at 4204.46,524.76 h40
  text "N" at 4622.47,437.26 h60
  text "N" at 4902.78,437.26 h60
  text "N" at 5277.77,437.26 h60
  text "N" at 5652.77,437.26 h60
  text "P" at 4622.47,319.27 h60
  text "P" at 4902.21,318.51 h60
  text "P" at 5277.21,318.51 h60
  text "P" at 5652.21,318.51 h60
  text "T15" at 596.98,249.76 h60
  text "T14" at 714.97,249.76 h60
  text "T13" at 832.97,249.76 h60
  text "T12" at 950.96,249.76 h60
  text "T11" at 1068.99,249.76 h60
  text "T10" at 1186.98,249.76 h60
  text "T9" at 1304.97,249.76 h60
  text "T8" at 1422.97,249.76 h60
  text "T7" at 1746.98,249.76 h60
  text "T6" at 1864.97,249.76 h60
  text "T5" at 1982.97,249.76 h60
  text "T4" at 2100.96,249.76 h60
  text "T3" at 2218.99,249.76 h60
  text "T2" at 2336.98,249.76 h60
  text "T1" at 2454.97,249.76 h60
  text "T0" at 2572.97,249.76 h60
  text "NC" at 2905.49,249.76 h40
  text "NC" at 3023.99,249.76 h40
  text "NC" at 3141.98,249.76 h40
  text "VBAT" at 3259.97,249.76 h40
  text "CIN13" at 3377.97,249.76 h40
  text "CIN11" at 3495.96,249.76 h40
  text "CIN9" at 3613.99,249.76 h40
  text "CIN7" at 3731.98,249.76 h40
  text "CIN5" at 3849.97,249.76 h40
  text "CIN3" at 3967.97,249.76 h40
  text "CIN1" at 4085.96,249.76 h40
  text "GND" at 4204.46,249.76 h40
Mechanical 1:
  lines w78.74: 225,3100 775,3100 ; 700,2337.5 650,2287.5 387.5,2287.5 337.5,2337.5 337.5,2587.5 387.5,2637.5 650,2637.5 700,2587.5 ; 4787.5,100 4787.5,675 4625,837.5 4625,1350 5037.5,1350 ; 4812.5,1112.5 5237.5,1112.5 ; 5162.5,100 5162.5,875 5237.5,950 5237.5,962.5 5237.5,1350 5675,1350 ; 5450,1112.5 5875,1112.5 ; 5537.5,100 5537.5,612.5 5837.5,912.5 5837.5,1012.5 5875,1050 5875,1225 6025,1225 6025.77,1225 6095.79,1154.98 6129.98,1154.98 6187.5,1212.5 6200,1225 6200,1400 6150,1450
Board_Outline:
  lines w5.91: -39.37,498.13 ccw(c-39.37,537.5) 0,537.5 0,3887.01 cw(c50,3887.01) 50,3937.01 6259.84,3937.01 cw(c6259.84,3897.64) 6299.21,3897.64 6312.42,-50 ; 6276.09,-73.41 ccw(c6262.92,-12.92) 6312.5,-50
  lines w10: -37.5,500 -150,500 ccw(c-150,450) -200,450 -200,-575 ccw(c-150,-575) -150,-625 4387.5,-625 ccw(c4387.5,-575) 4437.5,-575 4437.5,-75 6275,-75